# Altium PCB N-CW7Rev00_FrontAndBackHousing.PcbDoc (part 2 of 4)
Units mm, origin at the board's own origin, x right, y up, seen from the top; angles counter-clockwise.
Board outline 137.9 x 91 mm, 2 copper layers (Top Layer, Bottom Layer), stack 1.54 mm thick; 332 components, 212 nets, 959 pads, 533 vias.
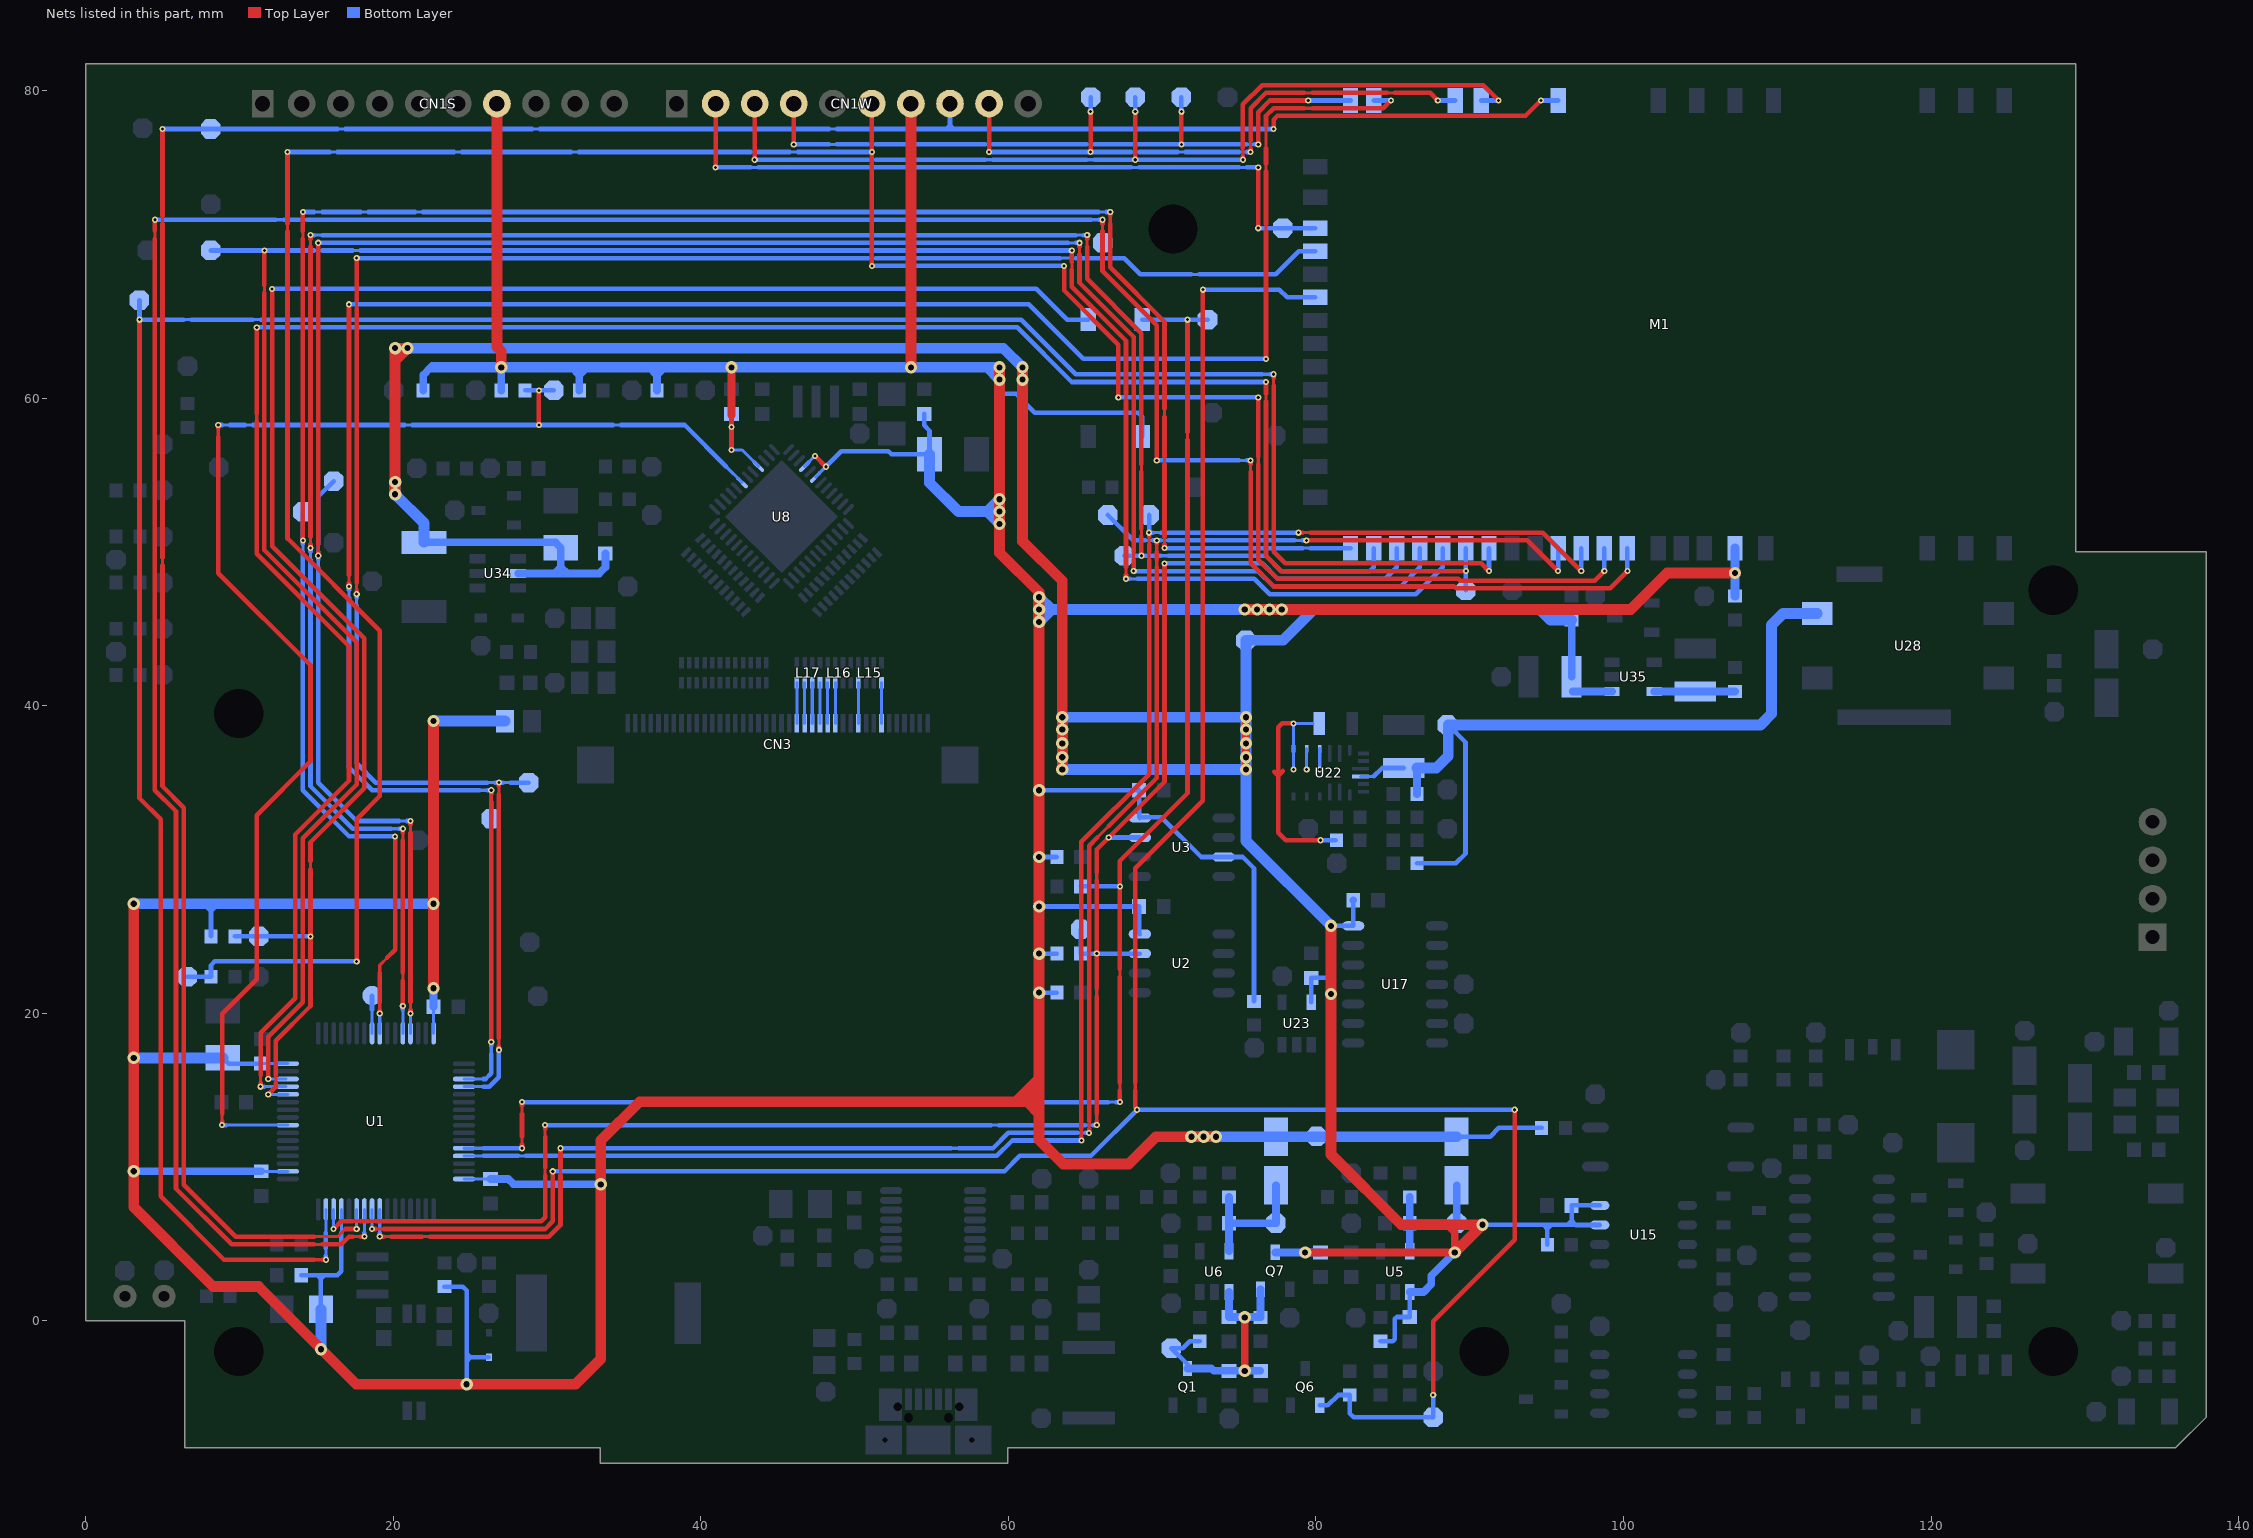
[diagram p2: the nets of this part, all layers, seen from the top]

## Part data
C1 C2 C3 C4 C5 C13 C14 C20 C21 C22 C23 C29 C30 C31 C34 C36 C50 C51 C52 C68 C79 C80 C83: library part TDK_0603_T0.80, "CAP CER 0.1UF 50V X7R 0603", Manufacturer=TDK, Manufacturer Part Number=C1608X7R1H104K080AA, Supplier Part Number 1=445-1314-1-ND, ComponentLink1Description="Datasheet - TDK", ComponentLink1URL=https://product.tdk.com/system/files/dam/doc/product/capacitor/ceramic/mlcc/catalog/mlcc_commercial_general_en.pdf, Supplier 1=Digi-Key, Supplier 2=Mouser, Supplier Part Number 2=810-C1608X7R1H104K
C6 C7: library part KEMET_0603_T0.80, "CAP CER 8.2PF 50V C0G/NP0 0603", Manufacturer=KEMET, Manufacturer Part Number=C0603C829C5GACTU, Supplier Part Number 1=80-C0603C829C5G, ComponentLink1Description="Datasheet - KEMET", ComponentLink1URL=https://datasheet.ciiva.com/145/docfinderpartnumber-c0603c475k9pactu-145072.pdf?src-supplier=Digikey, Supplier 1=Mouser, Supplier 2=Digikey, Supplier Part Number 2=399-C0603C829C5GACTUCT-ND
C8 C12 C24 C27 C69 C70 C74 C75: library part TDK_0603_T0.80, "CAP CER 10000PF 50V X7R 0603", Manufacturer=TDK, Manufacturer Part Number=C1608X7R1H103K080AA, Supplier Part Number 1=445-1311-1-ND, ComponentLink1Description="Datasheet - TDK", ComponentLink1URL=https://product.tdk.com/system/files/dam/doc/product/capacitor/ceramic/mlcc/catalog/mlcc_commercial_general_en.pdf, Supplier 1=Digi-Key, Supplier 2=Mouser, Supplier Part Number 2=810-C1608X7R1H103K
C9 C32 C35: library part KEMET_T494B/EIA3528-21, "CAP TANT 10UF 10% 16V 1411", Manufacturer=KEMET, Manufacturer Part Number=T494B106K016AT, Supplier Part Number 1=80-T494B106K016, ComponentLink1Description="Datasheet - KEMET", ComponentLink1URL=https://datasheet.ciiva.com/6229/kem-t2008-t494-6229597.pdf?src-supplier=Digi-Key, Supplier 1=Mouser, Supplier 2=Digikey, Supplier Part Number 2=399-3830-1-ND
C10: library part KEMET_T494A/EIA3216-18, "CAP TANT 1UF 10% 16V 1206", Manufacturer=KEMET, Manufacturer Part Number=T494A105K016AT, Supplier Part Number 1=399-8427-1-ND, ComponentLink1Description="Datasheet - KEMET", ComponentLink1URL=https://datasheet.ciiva.com/6229/kem-t2008-t494-6229597.pdf?src-supplier=Digi-Key, Supplier 1=Digi-Key, Supplier 2=Mouser, Supplier Part Number 2=80-T494A105K016
C11: library part ELNA_RSCSK2243R3D02008U, "CAP 220MF -20% +80% 3.3V SMD", Manufacturer=Elna, Manufacturer Part Number=RSCSK2243R3D02008U, Supplier Part Number 1=604-RSCSK2243R3D02008UCT-ND, ComponentLink1Description="Datasheet - ELNA", ComponentLink1URL=https://mm.digikey.com/Volume0/opasdata/d220001/medias/docus/875/DS%2CDSK.pdf, Supplier 1=Digikey
C16 C17 C18 C19: library part TDK_0603_T0.80, "CAP CER 2.2UF 10V X7R 0603", Manufacturer=TDK, Manufacturer Part Number=C1608X7R1A225K080AC, Supplier Part Number 1=445-5958-1-ND, ComponentLink1Description="Datasheet - TDK", ComponentLink1URL=https://product.tdk.com/system/files/dam/doc/product/capacitor/ceramic/mlcc/catalog/mlcc_commercial_general_en.pdf, Supplier 1=Digikey, Supplier 2=Mouser, Supplier Part Number 2=810-C1608X7R1A225K
C25 C26: library part TDK_0603_T0.80, "CAP CER 47PF 50V C0G 0603", Manufacturer=TDK, Manufacturer Part Number=C1608C0G1H470J080AA, Supplier Part Number 1=445-1277-2-ND, ComponentLink1Description="Datasheet - TDK", ComponentLink1URL=https://product.tdk.com/system/files/dam/doc/product/capacitor/ceramic/mlcc/catalog/mlcc_commercial_general_en.pdf, Supplier 1=Digikey, Supplier 2=Mouser, Supplier Part Number 2=810-C1608C0G1H470J
C28 C33: library part KEMET_T494A/EIA3216-18, "CAP TANT 4.7UF 10% 16V 1206", Manufacturer=KEMET, Manufacturer Part Number=T494A475K016AT, Supplier Part Number 1=80-T494A475K016, ComponentLink1Description="Datasheet - KEMET", ComponentLink1URL=https://datasheet.ciiva.com/6229/kem-t2008-t494-6229597.pdf?src-supplier=Digi-Key, Supplier 1=Mouser, Supplier 2=Digikey, Supplier Part Number 2=399-8439-1-ND
C37 C55: library part TDK_0603_T0.80, "CAP CER 2200PF 50V X7R 0603", Manufacturer=TDK, Manufacturer Part Number=C1608X7R1H222K080AE, Supplier Part Number 1=445-173664-1-ND, ComponentLink1Description="Datasheet - TDK", ComponentLink1URL=https://product.tdk.com/system/files/dam/doc/product/capacitor/ceramic/mlcc/catalog/mlcc_commercial_general_en.pdf, Supplier 1=Digikey, Supplier 2=Mouser, Supplier Part Number 2=810-C1608X7R1H222KAE
C38: library part AVX_0805_T1.40, "CAP CER 220n 25V X5R 0805", Supplier Part Number 1=581-08053D224MAT2A, ComponentLink1Description="Datasheet - AVX", ComponentLink1URL=https://au.mouser.com/datasheet/2/40/cx5r_KGM-3223198.pdf, Supplier 1=Mouser
C54: library part TDK_0603_T0.80, "CAP CER 470PF 50V C0G 0603", Manufacturer=TDK, Manufacturer Part Number=C1608C0G1H471J080AA, Supplier Part Number 1=445-1289-1-ND, ComponentLink1Description="Datasheet - TDK", ComponentLink1URL=https://product.tdk.com/system/files/dam/doc/product/capacitor/ceramic/mlcc/catalog/mlcc_commercial_general_en.pdf, Supplier 1=Digi-Key, Supplier 2=Mouser, Supplier Part Number 2=810-C1608C0G1H471J
C56 C62: library part KEMET_1210_T1.90, "CAP CER 10UF 35V X5R 1210", Manufacturer=KEMET, Manufacturer Part Number=C1210C106K6PACTU, Supplier Part Number 1=399-12070-1-ND, ComponentLink1Description="Datasheet - KEMET", ComponentLink1URL=https://content.kemet.com/datasheets/KEM_C1006_X5R_SMD.pdf, Supplier 1=Digi-Key, Supplier 2=Mouser, Supplier Part Number 2=80-C1210C106K6P
C58: library part KEMET_T494X/EIA7343-43, "CAP TANT 100UF 20% 25V 2917", Manufacturer=KEMET, Manufacturer Part Number=T494X107M025AT, Supplier Part Number 1=80-T494X107M025, ComponentLink1Description="Datasheet - KEMET", ComponentLink1URL=https://content.kemet.com/datasheets/KEM_T2008_T494.pdf, Supplier 1=Mouser, Supplier 2=Digikey, Supplier Part Number 2=399-8485-1-ND
C61: library part TDK_0805_T1.25, "CAP CER 22UF 16V X5R 0805", Manufacturer=TDK, Manufacturer Part Number=C2012X5R1C226M085AC, Supplier Part Number 1=445-14374-1-ND, ComponentLink1Description="Datasheet - TDK", ComponentLink1URL=https://product.tdk.com/system/files/dam/doc/product/capacitor/ceramic/mlcc/catalog/mlcc_commercial_general_en.pdf, Supplier 1=Digikey, Supplier 2=Mouser, Supplier Part Number 2=810-C2012X5R1C226MAC
C81 C82: library part KEMET_1210_T1.55, "CAP CER 1UF 50V X5R 1210", Manufacturer=KEMET, Manufacturer Part Number=C1210C105K5PACTU, Supplier Part Number 1=399-8221-1-ND, ComponentLink1Description="Datasheet - KEMET", ComponentLink1URL=https://content.kemet.com/datasheets/KEM_C1006_X5R_SMD.pdf, Supplier 1=Digi-Key, Supplier 2=Mouser, Supplier Part Number 2=80-C1210C105K5P
CN1S CN1W: library part SULLINS_10W_SIL_HDR_RA_2.54MM, "CONN HDR 10POS 0.1 TIN PCB R/A", Manufacturer=Sullins, Manufacturer Part Number=PPTC101LGBN-RC, Supplier Part Number 1=S5446-ND, ComponentLink1Description="Datasheet - SULLINS", ComponentLink1URL=https://mm.digikey.com/Volume0/opasdata/d220001/medias/docus/937/Female_Headers.100_DS.pdf, Supplier 1=Digikey
CN2: library part MOLEX_USB_MICRO_B_SMD_RA, "CONN RCPT USB2.0 MICRO B SMD R/A", Manufacturer=Molex, Manufacturer Part Number=47346-1001, Supplier Part Number 1=WM11228CT-ND, ComponentLink1Description="Datasheet - MOLEX", ComponentLink1URL=http://rhu103.sma-promail.com/SQLImages/kelmscott/Molex/PDF_Images/987650-3261.PDF?src-supplier=Digi-Key, Supplier 1=Digi-Key, Supplier 2=Mouser, Supplier Part Number 2=538-47346-1001
CN3: library part FCI_62684-402100ALF, "CONN FPC TOP 40POS 0.5MM R/A", Manufacturer="Amphenol ICC / FCI", Manufacturer Part Number=62684-402100ALF, Supplier Part Number 1=609-1200-1-ND, ComponentLink1Description="Datasheet - FCI", ComponentLink1URL=https://datasheet.octopart.com/62684-402100ALF-Areva-datasheet-122521.pdf?src-supplier=Digikey, Supplier 1=Digikey, Supplier 2=Mouser, Supplier Part Number 2=649-62684-402100ALF
CN7: library part JWT_A2501WR2-4P, "A2501WR2-4P (JWT) 2.50mm Pitch (R-DIP)", ComponentLink1Description="Datasheet - JWT", ComponentLink1URL=http://www.jwt.com.tw/pro_pdf/A2501.pdf
D1: library part NEXPERIA_BAS716,115_SOD523, "DIODE STANDARD 75V 200MA SOD523", Manufacturer=Nexperia, Manufacturer Part Number=BAS716115, Supplier Part Number 1=1727-4813-1-ND, ComponentLink1Description="Datasheet - NEXPERIA", ComponentLink1URL=https://assets.nexperia.com/documents/data-sheet/BAS716.pdf, Supplier 1=Digikey, Supplier 2=Mouser, Supplier Part Number 2=771-BAS716-T/R
D3 D4 D9 D10: library part DIODESINC_S1G_SMA_D0214AC, "DIODE GEN PURP 400V 1A SMA", Manufacturer=Diodes, Manufacturer Part Number=S1G-13-F, Supplier Part Number 1=S1G-FDICT-ND, ComponentLink1Description="Datasheet - DIODESINC", ComponentLink1URL=https://datasheet.ciiva.com/4453/ds16003-83672-4453663.pdf?src-supplier=Mouser, Supplier 1=Digi-Key, Supplier 2=Mouser, Supplier Part Number 2=621-S1G-F
D5 D6 D7 D8: library part NEXPERIA_BAS16,215_SOT23, "DIODE GP 100V 215MA SOT23", Manufacturer=Nexperia, Supplier Part Number 1=1727-2887-6-ND, ComponentLink1Description="Datasheet - NEXPERIA", ComponentLink1URL=https://assets.nexperia.com/documents/data-sheet/BAS16_SER.pdf?src-supplier=Digi-Key, Manufacturer Part Number=BAS16,215, Supplier 1=Digi-Key, Supplier 2=Mouser, Supplier Part Number 2=771-BAS16-T/R
D11: library part CSEMI_CMDSH-3_SOD323, "DIODE SCHOTTKY 30V 100MA SOD323", Manufacturer="Central Semiconductor", Manufacturer Part Number="CMDSH-3 TR PBFREE", Supplier Part Number 1=1514-CMDSH-3TRPBFREECT-ND, ComponentLink1Description="Datasheet - CENTRAL SEMI", ComponentLink1URL=https://datasheet.octopart.com/CMDSH-3-TR-PBFREE-Central-Semiconductor-datasheet-103422393.pdf?src-supplier=Future+Electronics, Supplier 1=Digikey, Supplier 2=Mouser, Supplier Part Number 2=610-CMDSH-3
L1 L5 L6 L7 L21 L22 L23: library part LAIRD_MI0805K601R-10, "FERRITE BEAD 600 OHM 0805 1LN", Manufacturer=Laird, Manufacturer Part Number=MI0805K601R-10, Supplier Part Number 1=240-2390-1-ND, ComponentLink1Description="Datasheet - LAIRD", ComponentLink1URL=https://datasheet.ciiva.com/1013/mi0805k601r-10-b-1013299.pdf?src-supplier=Digi-Key, Supplier 1=Digi-Key, Supplier 2=Mouser, Supplier Part Number 2=875-MI0805K601R-10
L4: library part TDK_NLC453232T-220K, "22uH 10%", Manufacturer=TDK, Manufacturer Part Number=NLC453232T-220K-PF, Supplier Part Number 1=33P7817, ComponentLink1Description="Datasheet - TDK", ComponentLink1URL=https://datasheet.ciiva.com/15160/getdatasheetpartid-50514-15160162.pdf?src-supplier=Verical, Supplier 1=Newark
L8 L9 L10 L11 L12 L13 L15 L16 L17 L18 L19 L20: library part MURATA_BLA2ABD102SN4_0804, "Ferrite Beads 1000 OHM 25%", Manufacturer=Murata, Manufacturer Part Number=BLA2ABD102SN4B, ComponentLink1Description="Datasheet - MURATA", ComponentLink1URL=https://au.mouser.com/datasheet/2/281/murata_mure-s-a0008870653-1-1740392.pdf
M1: "Module - Wi-Fi Module (CC3200)"
P1: library part BOURNS_MF-MSMF110-2, "PTC RESET FUSE 24V 1.1A 1812", Manufacturer=Bourns, Manufacturer Part Number=MF-MSMF110/24X-2, Supplier Part Number 1=MF-MSMF110/24X-2TR-ND, ComponentLink1Description="Datasheet - BOURNS", ComponentLink1URL=https://www.bourns.com/docs/product-datasheets/mf-msmf.pdf, Supplier 1=Digikey, Supplier 2=Mouser, Supplier Part Number 2=652-MF-MSMF110/24X-2
Q1 Q7: library part IR_IRLML6402TRPBF_SOT23, "MOSFET P-CH 20V 3.7A SOT23", Manufacturer=Infineon, Manufacturer Part Number=IRLML6402TRPBF, Supplier Part Number 1=942-IRLML6402TRPBF, ComponentLink1Description="Datasheet - IR", ComponentLink1URL=https://www.infineon.com/dgdl/irlml6402pbf.pdf?fileId=5546d462533600a401535668d5c2263c, Supplier 1=Mouser, Supplier 2=Digikey, Supplier Part Number 2=IRLML6402PBFCT-ND
Q2 Q6: library part ONSEMI_FDV301N_SOT23, "MOSFET N-CH 25V 220MA SOT23", Manufacturer="ON Semiconductor / Fairchild", Supplier Part Number 1=FDV301NCT-ND, ComponentLink1Description="Datasheet - ONSEMI", ComponentLink1URL=https://datasheet.ciiva.com/931/fdv301n-931766.pdf?src-supplier=Digi-Key, Manufacturer Part Number=FDV301N, Supplier 1=Digi-Key, Supplier 2=Mouser, Supplier Part Number 2=512-FDV301N
Q3: library part ONSEMI_BC856BLT1G_SOT23, "TRANS PNP 65V 100MA SOT23-3", Manufacturer="ON Semiconductor", Supplier Part Number 1=BC856BLT1GOSCT-ND, ComponentLink1Description="Datasheet - ONSEMI", ComponentLink1URL=https://datasheet.ciiva.com/976/bc856alt1-d-976400.pdf?src-supplier=Digi-Key, Manufacturer Part Number=BC856BLT1G, Supplier 1=Digi-Key, Supplier 2=Mouser, Supplier Part Number 2=863-BC856BLT1G
Q4 Q8: library part ONSEMI_BC847BLT1G_SOT23, "TRANS NPN 45V 100MA SOT23-3", Manufacturer="ON Semiconductor", Supplier Part Number 1=BC847BLT1GOSCT-ND, ComponentLink1Description="Datasheet - ONSEMI", ComponentLink1URL=https://datasheet.ciiva.com/976/bc846alt1-d-976378.pdf?src-supplier=Digi-Key, Manufacturer Part Number=BC847BLT1G, Supplier 1=Digi-Key, Supplier 2=Mouser, Supplier Part Number 2=863-BC847BLT1G
Q5: library part INFINEON_BCX51-16_SOT89, "Bipolar (BJT) Transistor PNP 45 V 1 A 125MHz 2 W Surface Mount PG-SOT89", Manufacturer=Infineon, Supplier Part Number 1=BCX5116H6327XTSA1-ND, ComponentLink1Description="Datasheet - INFINEON", ComponentLink1URL=https://datasheet.ciiva.com/29323/153187-da-01-en-transistor-af-bcx51-16-sot89-inf-29323667.pdf?src-supplier=Conrad, Manufacturer Part Number=BCX51-16, Supplier 1=Digi-Key, Supplier 2=Mouser, Supplier Part Number 2=726-BCX5116H6327XTSA
R1 R2 R78 R79 R80 R81 R82 R83 R88 R92 R104 R106: library part YAGEO_0603_T0.55, "RES 0 OHM JUMPER 1/10W 0603", Manufacturer=Yageo, Manufacturer Part Number=RC0603FR-070RL, Supplier Part Number 1=603-RC0603FR-070RL, ComponentLink1Description="Datasheet - YAGEO", ComponentLink1URL=https://www.yageo.com/upload/media/product/productsearch/datasheet/rchip/PYu-RC_Group_51_RoHS_L_11.pdf, Supplier 1=Mouser, Supplier 2=Digi-Key, Supplier Part Number 2=311-0.0HRCT-ND
R3 R4 R5 R7 R8 R9 R15 R19 R26 R35 R51 R73 R74 R75 R77 R99 R101 R105: library part YAGEO_0603_T0.55, "RES 10K OHM 1% 1/10W 0603", Manufacturer=Yageo, Manufacturer Part Number=RC0603FR-0710KL, Supplier Part Number 1=311-10.0KHRCT-ND, ComponentLink1Description="Datasheet - YAGEO", ComponentLink1URL=https://www.yageo.com/upload/media/product/productsearch/datasheet/rchip/PYu-RC_Group_51_RoHS_L_11.pdf, Supplier 2=Mouser, Supplier Part Number 2=603-RC0603FR-0710KL
  R3 R4 R5 R7 R8 R9 R15 R19 R26 R35 R51 R73 R74 R75 R77 R99: Supplier 1=Digi-Key
  R101 R105: Supplier 1=Digikey
R11 R16 R27: library part YAGEO_0603_T0.55, "RES 15K OHM 1% 1/10W 0603", Manufacturer=Yageo, Manufacturer Part Number=RC0603FR-0715KL, Supplier Part Number 1=311-15.0KHRCT-ND, ComponentLink1Description="Datasheet - YAGEO", ComponentLink1URL=https://www.yageo.com/upload/media/product/productsearch/datasheet/rchip/PYu-RC_Group_51_RoHS_L_11.pdf, Supplier 1=Digikey, Supplier 2=Mouser, Supplier Part Number 2=603-RC0603FR-0715KL
R12 R17: library part YAGEO_0603_T0.55, "RES 120 OHM 1% 1/10W 0603", Manufacturer=Yageo, Manufacturer Part Number=RC0603FR-07120RL, Supplier Part Number 1=311-120HRCT-ND, ComponentLink1Description="Datasheet - YAGEO", ComponentLink1URL=https://www.yageo.com/upload/media/product/productsearch/datasheet/rchip/PYu-RC_Group_51_RoHS_L_11.pdf, Supplier 1=Digi-Key, Supplier 2=Mouser, Supplier Part Number 2=603-RC0603FR-07120RL
R13 R18: library part YAGEO_0603_T0.55, "RES 6.8K OHM 1% 1/10W 0603", Manufacturer=Yageo, Manufacturer Part Number=RC0603FR-076K8L, Supplier Part Number 1=311-6.80KHRCT-ND, ComponentLink1Description="Datasheet - YAGEO", ComponentLink1URL=https://www.yageo.com/upload/media/product/productsearch/datasheet/rchip/PYu-RC_Group_51_RoHS_L_11.pdf, Supplier 1=Digikey, Supplier 2=Mouser, Supplier Part Number 2=603-RC0603FR-076K8L
R14: library part YAGEO_0603_T0.55, "RES 33K OHM 1% 1/10W 0603", Manufacturer=Yageo, Manufacturer Part Number=RC0603FR-0733KL, Supplier Part Number 1=311-33.0KHRCT-ND, ComponentLink1Description="Datasheet - YAGEO", ComponentLink1URL=https://www.yageo.com/upload/media/product/productsearch/datasheet/rchip/PYu-RC_Group_51_RoHS_L_11.pdf, Supplier 1=Digikey, Supplier 2=Mouser, Supplier Part Number 2=603-RC0603FR-0733KL
R20 R22 R48 R69 R94: library part YAGEO_0603_T0.55, "RES 100K OHM 1% 1/10W 0603", Manufacturer=Yageo, Manufacturer Part Number=RC0603FR-07100KL, Supplier Part Number 1=311-100KHRCT-ND, ComponentLink1Description="Datasheet - YAGEO", ComponentLink1URL=https://www.yageo.com/upload/media/product/productsearch/datasheet/rchip/PYu-RC_Group_51_RoHS_L_11.pdf, Supplier 1=Digi-Key, Supplier 2=Mouser, Supplier Part Number 2=603-RC0603FR-07100KL
R21 R23 R50 R52 R66 R68 R70 R100: library part YAGEO_0603_T0.55, "RES 1K OHM 1% 1/10W 0603", Manufacturer=Yageo, Manufacturer Part Number=RC0603FR-071KL, Supplier Part Number 1=311-1.00KHRCT-ND, ComponentLink1Description="Datasheet - YAGEO", ComponentLink1URL=https://www.yageo.com/upload/media/product/productsearch/datasheet/rchip/PYu-RC_Group_51_RoHS_L_11.pdf, Supplier 1=Digi-Key, Supplier 2=Mouser, Supplier Part Number 2=603-RC0603FR-071KL
R24 R25: library part YAGEO_0603_T0.55, "RES 27 OHM 1% 1/10W 0603", Manufacturer=Yageo, Manufacturer Part Number=RC0603FR-0727RL, Supplier Part Number 1=311-27.0HRTR-ND, ComponentLink1Description="Datasheet - YAGEO", ComponentLink1URL=https://www.yageo.com/upload/media/product/productsearch/datasheet/rchip/PYu-RC_Group_51_RoHS_L_11.pdf, Supplier 1=Digikey, Supplier 2=Mouser, Supplier Part Number 2=603-RC0603FR-0727RL
R30: library part YAGEO_0603_T0.55, "RES 47K OHM 1% 1/10W 0603", Manufacturer=Yageo, Manufacturer Part Number=RC0603FR-0747KL, Supplier Part Number 1=311-47.0KHRCT-ND, ComponentLink1Description="Datasheet - YAGEO", ComponentLink1URL=https://www.yageo.com/upload/media/product/productsearch/datasheet/rchip/PYu-RC_Group_51_RoHS_L_11.pdf, Supplier 1=Digi-Key, Supplier 2=Mouser, Supplier Part Number 2=603-RC0603FR-0747KL
R31 R32 R33 R34 R36 R84: library part YAGEO_0603_T0.55, "RES 4.7K OHM 1% 1/10W 0603", Manufacturer=Yageo, Manufacturer Part Number=RC0603FR-074K7L, Supplier Part Number 1=311-4.70KHRCT-ND, ComponentLink1Description="Datasheet - YAGEO", ComponentLink1URL=https://www.yageo.com/upload/media/product/productsearch/datasheet/rchip/PYu-RC_Group_51_RoHS_L_11.pdf, Supplier 1=Digikey, Supplier 2=Mouser, Supplier Part Number 2=603-RC0603FR-074K7L
R37: library part PANASONIC_ERJ-3B, "RES SMD 2.4 OHM 1% 1/4W 0603", Manufacturer=Panasonic, Manufacturer Part Number=ERJ-3BQF2R4V, Supplier Part Number 1=667-ERJ-3BQF2R4V, ComponentLink1Description="Datasheet - PANASONIC", ComponentLink1URL=https://industrial.panasonic.com/cdbs/www-data/pdf/RDN0000/AOA0000C313.pdf, Supplier 1=Mouser, Supplier 2=Digikey, Supplier Part Number 2=P17379CT-ND
R49: library part YAGEO_0603_T0.55, "RC0603FR-07XXXL", Manufacturer=Yageo, Manufacturer Part Number=RC0603FR-073K3L, Supplier Part Number 1=311-3.30KHRCT-ND, ComponentLink1Description="Datasheet - YAGEO", ComponentLink1URL=https://www.yageo.com/upload/media/product/productsearch/datasheet/rchip/PYu-RC_Group_51_RoHS_L_11.pdf, Supplier 1=Digikey, Supplier 2=Mouser, Supplier Part Number 2=603-RC0603FR-073K3L
R65: library part YAGEO_0603_T0.55, "RES 680 OHM 1% 1/10W 0603", Manufacturer=Yageo, Manufacturer Part Number=RC0603FR-07680RL, Supplier Part Number 1=311-680HRCT-ND, ComponentLink1Description="Datasheet - YAGEO", ComponentLink1URL=https://www.yageo.com/upload/media/product/productsearch/datasheet/rchip/PYu-RC_Group_51_RoHS_L_11.pdf, Supplier 1=Digikey, Supplier 2=Mouser, Supplier Part Number 2=603-RC0603FR-07680RL
R67 R103: library part YAGEO_0603_T0.55, "RES 330 OHM 1% 1/10W 0603", Manufacturer=Yageo, Manufacturer Part Number=RC0603FR-07330RL, Supplier Part Number 1=311-330HRCT-ND, ComponentLink1Description="Datasheet - YAGEO", ComponentLink1URL=https://www.yageo.com/upload/media/product/productsearch/datasheet/rchip/PYu-RC_Group_51_RoHS_L_11.pdf, Supplier 1=Digi-Key, Supplier 2=Mouser, Supplier Part Number 2=603-RC0603FR-07330RL
R71: library part YAGEO_0603_T0.55, "RES 22K OHM 1% 1/10W 0603", Manufacturer=Yageo, Manufacturer Part Number=RC0603FR-0722KL, Supplier Part Number 1=311-22.0KHRCT-ND, ComponentLink1Description="Datasheet - YAGEO", ComponentLink1URL=https://www.yageo.com/upload/media/product/productsearch/datasheet/rchip/PYu-RC_Group_51_RoHS_L_11.pdf, Supplier 1=Digi-Key, Supplier 2=Mouser, Supplier Part Number 2=603-RC0603FR-0722KL
R72: library part YAGEO_0603_T0.55, "RES 2.2K OHM 1% 1/10W 0603", Manufacturer=Yageo, Manufacturer Part Number=RC0603FR-072K2L, Supplier Part Number 1=311-2.20KHRCT-ND, ComponentLink1Description="Datasheet - YAGEO", ComponentLink1URL=https://www.yageo.com/upload/media/product/productsearch/datasheet/rchip/PYu-RC_Group_51_RoHS_L_11.pdf, Supplier 1=Digi-Key, Supplier 2=Mouser, Supplier Part Number 2=603-RC0603FR-072K2L
R76: library part YAGEO_1206_T0.55, "RES 22 OHM 1% 1/4W 1206", Manufacturer=Yageo, Manufacturer Part Number=RC1206FR-0722RL, Supplier Part Number 1=311-22.0FRCT-ND, ComponentLink1Description="Datasheet - YAGEO", ComponentLink1URL=https://www.yageo.com/upload/media/product/products/datasheet/rchip/PYu-RC_Group_51_RoHS_L_12.pdf, Supplier 1=Digikey, Supplier 2=Mouser, Supplier Part Number 2=603-RC1206FR-0722RL
R95: library part YAGEO_0603_T0.55, "RES 19.1K OHM 1% 1/10W 0603", Manufacturer=Yageo, Manufacturer Part Number=RC0603FR-0719K1L, Supplier Part Number 1=311-19.1KHRCT-ND, ComponentLink1Description="Datasheet - YAGEO", ComponentLink1URL=https://www.yageo.com/upload/media/product/productsearch/datasheet/rchip/PYu-RC_Group_51_RoHS_L_11.pdf, Supplier 1=Digikey, Supplier 2=Mouser, Supplier Part Number 2=603-RC0603FR-0719K1L
R96: library part YAGEO_0603_T0.55, "RES 45.3K OHM 1% 1/10W 0603", Manufacturer=Yageo, Manufacturer Part Number=RC0603FR-0745K3L, Supplier Part Number 1=311-45.3KHRCT-ND, ComponentLink1Description="Datasheet - YAGEO", ComponentLink1URL=https://www.yageo.com/upload/media/product/productsearch/datasheet/rchip/PYu-RC_Group_51_RoHS_L_11.pdf, Supplier 1=Digikey, Supplier 2=Mouser, Supplier Part Number 2=603-RC0603FR-0745K3L
R102: library part YAGEO_0603_T0.55, "RES 3.3K OHM 1% 1/10W 0603", Manufacturer=Yageo, Manufacturer Part Number=RC0603FR-073K3L, Supplier Part Number 1=311-3.30KHRCT-ND, ComponentLink1Description="Datasheet - YAGEO", ComponentLink1URL=https://www.yageo.com/upload/media/product/productsearch/datasheet/rchip/PYu-RC_Group_51_RoHS_L_11.pdf, Supplier 1=Digikey, Supplier 2=Mouser, Supplier Part Number 2=603-RC0603FR-073K3L
SW1A SW1B: library part COPAL_CHS-02B, "SWITCH SLIDE DIP SPST 0.1A 6V", Manufacturer="Nidec Copal", Manufacturer Part Number=CHS-02B, Supplier Part Number 1=CHS-02B-ND, ComponentLink1Description="Datasheet - COPAL", ComponentLink1URL=https://www.nidec-components.com/e/catalog/switch/chs.pdf, Supplier 1=Digikey, Supplier 2=Mouser, Supplier Part Number 2=229-CHS-02B
TH1: library part NETWORKER_THERMISTOR, "THER 10K 1% LEAD MMC SC25 (450103-006AQ)"
TVS1: library part LITTELFUSE_SMAJ12A_D0214AC, "TVS DIODE 12VWM 19.9VC DO214AC", Manufacturer=Littelfuse, Supplier Part Number 1=576-SMAJ12A, ComponentLink1Description="Datasheet - LITTELFUSE", ComponentLink1URL=https://www.littelfuse.com/~/media/electronics/datasheets/tvs_diodes/littelfuse_tvs_diode_smaj_datasheet.pdf.pdf, Manufacturer Part Number=SMAJ12A, Supplier 1=Mouser, Supplier 2=Digi-Key, Supplier Part Number 2=SMAJ12ALFCT-ND
U1: library part STM_STM32F103RG_LQFP64, "IC MCU 32BIT 1MB FLASH 64LQFP", Manufacturer=STMicroelectronics, Manufacturer Part Number=STM32F103RGT6, Supplier Part Number 1=511-STM32F103RGT6, ComponentLink1Description="Product Page", ComponentLink1URL=https://www.st.com/en/microcontrollers-microprocessors/stm32f103rg.html#documentation, ComponentLink2Description="Datasheet - STM", ComponentLink2URL=https://datasheet.ciiva.com/6640/cd00253742-6640869.pdf?src-supplier=Digikey, Supplier 1=Mouser, Supplier 2=Digikey, Supplier Part Number 2=497-11118-ND
U2 U3: library part STM_M24M02-DR_SOIC8, "IC EEPROM 2MBIT I2C 1MHZ 8SO", Manufacturer=STMicroelectronics, Manufacturer Part Number=M24M02-DRMN6TP, Supplier Part Number 1=497-11600-6-ND, ComponentLink1Description="Datasheet - STM", ComponentLink1URL=https://datasheet.ciiva.com/1912/cd00290537-1912487.pdf?src-supplier=Digi-Key, Supplier 1=Digi-Key, Supplier 2=Mouser, Supplier Part Number 2=511-M24M02-DRMN6TP
U5 U6: library part EXAR_SP6205EM5-L_SOT23_5, "IC REG LIN POS ADJ 500MA SOT23-5", Manufacturer=Exar, Manufacturer Part Number=SP6205EM5-L/TR, Supplier Part Number 1=701-SP6205EM5-L/TR, ComponentLink1Description="Datasheet - EXAR", ComponentLink1URL=https://datasheet.ciiva.com/26854/getdatasheetpartid-515131-26854433.pdf?src-supplier=Verical, Supplier 1=Mouser, Supplier 2=Digikey, Supplier Part Number 2=SP6205EM5-L/TR-ND
U7: library part FTDI_FT230XS_SSOP16, "IC USB SERIAL BASIC UART 16SSOP", Manufacturer=FTDI, Manufacturer Part Number=FT230XS-U, Supplier Part Number 1=895-FT230XS-U, ComponentLink1Description="Datasheet - FTDI", ComponentLink1URL=https://datasheet.ciiva.com/6630/ds-ft230x-6630901.pdf?src-supplier=Digi-Key, Supplier 1=Mouser, Supplier 2=Digi-Key, Supplier Part Number 2=768-1154-5-ND
U8: library part BRIDGETEK_FT800Q-R_VQFN48, "IC VIDEO CONTROLLER 48VQFN", Manufacturer=Bridgetek, Supplier Part Number 1=768-1185-1-ND, ComponentLink1Description="Datasheet - BRIDGETEK", ComponentLink1URL=https://brtchip.com/wp-content/uploads/Support/Documentation/Datasheets/ICs/EVE/DS_FT800_Embedded_Video_Engine.pdf?src-supplier=Digikey, Manufacturer Part Number=FT800Q-R, Supplier 1=Digikey, Supplier 2=Mouser, Supplier Part Number 2=895-FT800Q-R
U15 U16: library part BROADCOM_HCPL-061A-000E, "OPTOISO 3.75KV OPN COLL 8SO TALL", Manufacturer="Broadcom Avago", Supplier Part Number 1=516-1635-5-ND, ComponentLink1Description="Datasheet - BROADCOM", ComponentLink1URL=https://docs.broadcom.com/doc/AV02-0391EN, Manufacturer Part Number=HCPL-061A-000E, Supplier 1=Digikey, Supplier 2=Mouser, Supplier Part Number 2=630-HCPL-061A-000E
U17 U25: library part NEXPERIA_74HC14D_SO14, "IC HEX INVERTER SCHM TRIG 14SOIC", Manufacturer=Nexperia, Manufacturer Part Number=74HC14D,653, Supplier Part Number 1=771-74HC14D-T, ComponentLink1Description="Datasheet - Nexperia", ComponentLink1URL=https://assets.nexperia.com/documents/data-sheet/74HC_HCT14.pdf?src-supplier=Digi-Key, Supplier 1=Mouser, Supplier 2=Digi-Key, Supplier Part Number 2=1727-2783-6-ND
U19: library part VISHAY_TCLT1000_SOP4L, "OPTOISOLATOR 5KV 1CH TRANS 4-SOP", Manufacturer=Vishay, Supplier Part Number 1=782-TCLT1000, ComponentLink1Description="Datasheet - VISHAY", ComponentLink1URL=https://datasheet.ciiva.com/2085/tclt1000-2085920.pdf?src-supplier=Digikey, Manufacturer Part Number=TCLT1000, Supplier 1=Mouser, Supplier 2=Digikey, Supplier Part Number 2=TCLT1000CT-ND
U20: library part TI_LM317LIPK_SOT89, "IC REG LIN POS ADJ 100MA SOT89-3", Manufacturer="Texas Instruments", Supplier Part Number 1=595-LM317LIPK, ComponentLink1Description="Datasheet - TI", ComponentLink1URL=https://datasheet.ciiva.com/2042/lm317l-2042778.pdf?src-supplier=Digikey, Manufacturer Part Number=LM317LIPK, Supplier 1=Mouser, Supplier 2=Digikey, Supplier Part Number 2=296-21742-1-ND
U21: library part DIODESINC_DF005S, "BRIDGE RECT 1PHASE 50V 1A DFS", Manufacturer=Diodes, Supplier Part Number 1=DF005SDI-ND, ComponentLink1Description="Datasheet - DIODESINC", ComponentLink1URL=https://www.diodes.com/assets/Datasheets/ds17001.pdf, Manufacturer Part Number=DF005S, Supplier 1=Digi-Key, Supplier 2=Mouser, Supplier Part Number 2=621-DF005S
U22: library part MPS_MPM3606GQV-P, "DC DC CONVERTER 0.8-5.5V", Manufacturer="Monolithic Power Systems", Manufacturer Part Number=MPM3606GQV-P, Supplier Part Number 1=1589-1248-1-ND, ComponentLink1Description="Datasheet - MPS", ComponentLink1URL=https://www.monolithicpower.com/en/documentview/productdocument/index/version/2/document_type/Datasheet/lang/en/sku/MPM3606GQV/document_id/2094, Supplier 1=Digikey, Supplier 2=Mouser, Supplier Part Number 2=946-MPM3606GQV-P
U23: library part TI_SN74LV1T34_SOT23_5, "IC BUF NON-INVERT 5.5V SOT23-5", Manufacturer="Texas Instruments", Manufacturer Part Number=SN74LV1T34DBVR, Supplier Part Number 1=296-37176-6-ND, ComponentLink1Description="Datasheet - TI", ComponentLink1URL=https://datasheet.ciiva.com/29634/sn74lv1t34-29634758.pdf?src-supplier=Digi-Key, Supplier 1=Digi-Key, Supplier 2=Mouser, Supplier Part Number 2=595-SN74LV1T34DBVR
U28: library part MURATA_BNX022-01L, "FILTER LC 1UF SMD", Manufacturer=Murata, Supplier Part Number 1=81-BNX022-01L, ComponentLink1Description="Datasheet - MURATA", ComponentLink1URL=https://datasheet.ciiva.com/6211/bnx02x-series-6211239.pdf?src-supplier=Digikey, Manufacturer Part Number=BNX022-01L, Supplier 1=Mouser, Supplier 2=Digikey, Supplier Part Number 2=490-5052-1-ND
U34: library part MICREL_MIC2289-24YD_SOT236, "IC LED DRVR RGLTR PWM TSOT23-6", Manufacturer=Microchip, Manufacturer Part Number=MIC2289-24YD6-TR, Supplier Part Number 1=998-MIC2289-24YD6TR, ComponentLink1Description="Datasheet - MICREL", ComponentLink1URL=https://datasheet.ciiva.com/1947/mic2289-1947700.pdf?src-supplier=Digikey, Supplier 1=Mouser, Supplier 2=Digikey, Supplier Part Number 2=MIC2289-24YD6-DKR-ND
U35: library part TI_TLV75533PDBVR_SOT23_5, "IC REG LINEAR 3.3V 500MA SOT23-5", Manufacturer="Texas Instruments", Supplier Part Number 1=595-TLV75533PDBVR, ComponentLink1Description="Datasheet - TI", ComponentLink1URL=https://www.ti.com/lit/ds/symlink/tlv755p.pdf?ts=1711517340379&ref_url=https%253A%252F%252Fwww.ti.com.cn%252Fproduct%252Fcn%252FTLV755P, Manufacturer Part Number=TLV75533PDBVR, Supplier 1=Mouser, Supplier 2=Digikey, Supplier Part Number 2=296-50411-1-ND
V1 V2 V3: library part BOURNS_CGA0603MLC, "VARISTOR 0603", Manufacturer=Bourns, Manufacturer Part Number=CG0603MLC-05E, Supplier Part Number 1=CG0603MLC-05ECT-ND, ComponentLink1Description="Datasheet - BOURNS", ComponentLink1URL=https://www.bourns.com/docs/product-datasheets/cga-mlc.pdf, Supplier 1=Digikey, Supplier 2=Mouser, Supplier Part Number 2=652-CG0603MLC-05E
V4: library part TDK_B72520_1206, "VARISTOR 39V 200A 1206", Manufacturer="TDK EPCOS", Manufacturer Part Number=B72520T0250K062, Supplier Part Number 1=495-4401-1-ND, ComponentLink1Description="Datasheet - TDK", ComponentLink1URL=https://datasheet.ciiva.com/366/ml-standard-ct-cn-366985.pdf?src-supplier=Digi-Key, Supplier 1=Digikey, Supplier 2=Mouser, Supplier Part Number 2=871-B72520T250K62
X1: library part MURATA_CSTNE8M00G550000R0, "CERAMIC RES 8.0000MHZ 33PF SMD", Manufacturer=Murata, Manufacturer Part Number=CSTNE8M00G550000R0, Supplier Part Number 1=81-CSTNE8M00G550000R, ComponentLink1Description="Datasheet - MURATA", ComponentLink1URL=https://www.murata.com/en/products/productdata/8801161740318/SPEC-CSTNE8M00G550000R0.pdf?src-supplier=Digi-Key, Supplier 1=Mouser, Supplier 2=Digi-Key, Supplier Part Number 2=490-17958-1-ND
X3: library part EPSON_MC-146, "CRYSTAL 32.7680KHZ 12.5PF SMD", Manufacturer=Epson, Manufacturer Part Number=MC-14632.7680KA-A0:ROHS, Supplier Part Number 1=SER4091CT-ND, ComponentLink1Description="Datasheet - EPSON", ComponentLink1URL=https://support.epson.biz/td/api/doc_check.php?dl=brief_MC-146&lang=en, Supplier 1=Digikey, Supplier 2=Mouser, Supplier Part Number 2=732-MC146-32.7KAA0R
X5: library part MURATA_CSTNE12M0G520000R0, "CERAMIC RES 12.0000MHZ 10PF SMD", Manufacturer=Murata, Manufacturer Part Number=CSTNE12M0G520000R0, Supplier Part Number 1=CSTNE12M0G520000R0-ND, ComponentLink1Description="Datasheet - MURATA", Supplier 1=Digikey

## Free pads (board coordinates)
  round 0 hole 3.2 unplated: ""(9.95,-2) ""(9.95,39.5) ""(70.7,71) ""(90.95,-2) ""(127.95,-2) ""(127.95,47.5)

## Via types
v1: diameter 0.4, hole 0.2, Top Layer to Bottom Layer, tented both sides, 308 vias
v2: diameter 0.8, hole 0.4, Top Layer to Bottom Layer, tented both sides, 104 vias
v3: diameter 0.5, hole 0.2, Top Layer to Bottom Layer, tented both sides, 64 vias
v4: diameter 0.5, hole 0.2, Top Layer to Bottom Layer, 25 vias
v5: diameter 0.6, hole 0.3, Top Layer to Bottom Layer, tented both sides, 20 vias
v6: diameter 1, hole 0.5, Top Layer to Bottom Layer, tented both sides, 12 vias

## Nets (pads, with @x,y where several pads share a name; then routed paths per layer and width w, separated by ;. In a path a pad name is that pad's centre, name@x,y a point inside that pad or via, vN(x,y) a via of type N, cw(c..) or ccw(c..) an arc to the next point about the centre after c; other vN are vias at no path point)
3V3: C1.1 C2.1 C3.1 C4.1 C5.1 C9.1 C10.1 C13.2 C14.2 C29.2 C30.2 C32.1 CN1S.7 CN1W.7 D1.2 D3.1 D4.1 L23.1 M1.C17 R1.1 R4.2 R7.2 R8.2 R9.2 R30.2 R31.1 R32.1 R49.2 R51.1 R84.1 R104.1 SW1A.1 TP76.1 U1.13 U1.18 U1.32 U1.48 U1.64 U2.8 U3.3 U3.8 U8.9 U8.16 U8.18 | length 507.5
  Top Layer w0.3: v1(42,56.625) v1(42,58.125) 42,58.886 ; v1(47.429,56.246) v1(48.136,55.539)
  Top Layer w0.5: 42,58.886 v2(42,62)
  Top Layer w0.7: v2(3.125,27.125) v2(3.125,17.1) 3.125,7.4 8.3,2.225 11.25,2.225 17.6,-4.125 v2(24.775,-4.125) 31.85,-4.125 33.5,-2.475 33.5,11.725 36.025,14.25 60.5,14.25 ; v2(22.625,21.625) v2(22.625,39) ; CN1S.7@26.745,79.15 26.745,63.33 27.025,63.05 v2(27.025,62) ; v2(53.665,62) CN1W.7@53.665,79.15 ; v2(59.425,62) v2(59.425,61.2) v2(59.425,53.425) v2(59.425,52.625) v2(59.425,51.825) 59.425,49.95 62.001,47.374 62,47.373 62,15.75 ; v2(73.5,11.975) v2(72.7,11.975) v2(71.9,11.975) 69.6,11.975 67.825,10.2 63.575,10.2 62,11.775 62,13.475 ; v2(75.375,46.25) v2(76.175,46.25) v2(76.975,46.25) v2(77.775,46.25) 100.475,46.25 102.85,48.625 v2(107.25,48.625) ; 60.5,14.25 61.475,15.225 ; 60.5,14.25 61.225,14.25 ; 61.225,14.25 61.475,14.5 61.475,15.225 ; 61.225,14.25 62,13.475 ; 61.475,15.225 62,15.75 ; 62,13.475 62,15.75
  Bottom Layer w0.2: C4.1@11.425,9.725 U1.18@13.15,9.725 ; C1.1@11.425,16.725 12,16.725 U1.32@13.15,16.725 ; 16.625,5.725 U1.13@16.625,7.25 ; U1.48@22.625,18.7 C2.1@22.625,20.425 ; U1.64@24.6,9.225 C3.1@26.325,9.225 ; v1(42,56.625) 42.693,56.625 U8.9@43.747,55.57 ; U8.16@46.753,55.57 v1(47.429,56.246) ; U8.18@47.46,54.863 v1(48.136,55.539)
  Bottom Layer w0.3: 7.65,27.125 8.15,26.625 ; R4.2@8.15,25 8.15,26.625 ; C9.1@8.925,17.1 9.3,16.725 C1.1@11.425,16.725 ; 9,27.125 8.65,27.125 8.15,26.625 ; C5.1@14.025,2.975 15.075,2.975 ; C10.1@15.3,0.75 15.3,2.75 ; 16.625,5.725 16.625,3.225 16.375,2.975 15.525,2.975 ; R1.1@23.325,2.225 24.525,2.225 24.775,1.975 24.775,-2.125 ; v2(24.775,-4.125) 24.775,-2.625 ; D1.2@26.225,-2.375 25.025,-2.375 ; v1(42,58.125) C29.2@42,58.975 ; v1(48.136,55.539) 49.146,56.55 52.2,56.55 52.4,56.35 C32.1@54.875,56.35 54.875,57.874 54.525,58.224 C30.2@54.525,58.975 ; v2(59.425,61.2) 59.425,60.525 59.675,60.275 60.5,60.275 61.725,59.05 68.45,59.05 68.7,58.8 SW1A.1@68.7,57.5 ; v2(62,21.34) R7.2@63.15,21.34 ; v2(62,23.88) R9.2@63.15,23.88 ; v2(62,26.945) C13.2@68.5,26.945 68.5,25.2 U2.8@68.55,25.15 ; v2(62,30.16) R8.2@63.15,30.16 ; v2(62,34.5) C14.2@68.5,34.5 U3.8@68.5,32.75 ; U3.8@68.55,32.7 U3.8@68.5,32.75 ; R51.1@75.975,20.775 75.975,29.425 75.24,30.16 U3.3@74,30.16 72.54,30.16 69.95,32.75 U3.8@68.5,32.75 ; D3.1@89.15,11.975 91.325,11.975 91.9,12.55 R49.2@94.675,12.55 ; 15.075,2.975 15.525,2.975 ; 15.075,2.975 15.3,2.75 ; 15.3,2.75 15.525,2.975 ; 24.775,-2.625 24.775,-2.125 ; 24.775,-2.625 25.025,-2.375 ; 24.775,-2.125 25.025,-2.375
  Bottom Layer w0.5: v2(3.125,9.725) C4.1@11.425,9.725 ; R32.1@21.95,60.5 21.95,61.5 22.45,62 22.575,62 ; C2.1@22.625,20.425 v2(22.625,21.625) ; C3.1@26.325,9.225 27.475,9.225 27.825,8.875 v2(33.5,8.875) ; R84.1@27.025,60.5 v2(27.025,62) ; 27.525,62 27.65,62 ; 31.6,62 32.1,61.5 ; R31.1@32.1,60.5 32.1,61.5 ; 32.725,62 32.6,62 32.1,61.5 ; 36.65,62 37.15,61.5 ; R30.2@37.15,60.5 37.15,61.5 ; 37.775,62 37.65,62 37.15,61.5
  Bottom Layer w0.6: R104.1@107.25,47.125 M1.C17@107.25,50.25
  Bottom Layer w0.7: v2(3.125,17.1) C9.1@8.925,17.1 ; v2(3.125,27.125) 7.65,27.125 8.65,27.125 v2(22.625,27.125) ; v2(15.3,-1.85) C10.1@15.3,0.75 ; 22.575,62 v2(27.025,62) 27.525,62 ; v2(22.625,39) L23.1@27.275,39 ; 27.65,62 31.6,62 32.6,62 ; 32.725,62 36.65,62 37.65,62 ; 37.775,62 v2(42,62) v2(53.665,62) 58.625,62 ; C32.1@54.875,56.35 54.875,54.5 56.75,52.625 58.625,52.625 ; v2(71.9,11.975) v2(72.7,11.975) v2(73.5,11.975) D4.1@77.4,11.975 D3.1@89.15,11.975 ; v2(77.775,46.25) v2(76.975,46.25) v2(76.175,46.25) v2(75.375,46.25) 62.8,46.25 ; 58.625,52.625 v2(59.425,51.825) v2(59.425,52.625) ; 58.625,52.625 v2(59.425,53.425) v2(59.425,52.625) ; 58.625,52.625 v2(59.425,52.625) ; 58.625,62 v2(59.425,61.2) v2(59.425,62) 58.625,62 ; v2(62,46.25) 62.8,46.25 ; v2(62,46.25) v2(62,47.05) 62.8,46.25 ; v2(62,46.25) v2(62,45.45) 62.8,46.25